# Allegro board 8880F5-0827_txbegin.brd (continued)
## Routing (per net, layer and track width the routed paths; a pad name or vN(x,y) marks a point on that pad's centre or on a via; arc(x,y) is an arc through that point) (continued)
 ; D119.A4 166.83,55.88 ; D119.A4 167.64,56.69 ; D132.B12 115.11,40.64 ; D132.B12 114.3,41.45 ; D132.B12 114.3,39.83 ; D132.B12 113.49,40.64 ; D306.B1 381.71,68.58 ; D306.B1 381,67.87 ; D306.B1 381,69.29 ; D306.B1 380.29,68.58 ; D127.B3 18.59,58.42 ; D127.B3 17.78,59.23 ; D127.B3 16.97,58.42 ; D127.B3 17.78,57.61 ; 331.93,33.02 D104.A11 ; D104.A11 332.74,32.21 ; D104.A11 332.74,33.83 ; D104.A11 333.55,33.02 ; 396.24,83.11 D305.A7 ; D305.A7 395.53,83.82 ; D305.A7 396.95,83.82 ; D305.A7 396.24,84.53 ; D125.B11 38.91,99.06 ; D125.B11 38.1,99.87 ; D125.B11 37.29,99.06 ; D125.B11 38.1,98.25 ; 416.56,32.21 D108.A15 ; D108.A15 415.75,33.02 ; D108.A15 416.56,33.83 ; D108.A15 417.37,33.02 ; D119.B8 178.61,60.96 ; D119.B8 177.8,60.15 ; D119.B8 177.8,61.77 ; D119.B8 176.99,60.96 ; D123.B8 251.46,61.77 ; D123.B8 250.65,60.96 ; D123.B8 252.27,60.96 ; D123.B8 251.46,60.15 ; 396.24,354.79 D110.A11 ; D110.A11 397.05,355.6 ; D110.A11 396.24,356.41 ; D110.A11 395.43,355.6 ; D318.A6 173.43,66.04 ; D318.A6 172.72,65.33 ; D318.A6 172.01,66.04 ; D318.A6 172.72,66.75 ; SITE2.G13 329.03,243.31 ; SITE2.G13 329.03,242.35 ; SITE2.G13 328.55,242.83 ; SITE2.G13 329.51,242.83 ; 309.88,392.89 D116.A16 ; D116.A16 309.88,394.51 ; D116.A16 310.69,393.7 ; D116.A16 309.07,393.7 ; D131.A16 124.46,56.69 ; D131.A16 125.27,55.88 ; D131.A16 124.46,55.07 ; D131.A16 123.65,55.88 ; CSDPS429.C13 170.18,341.17 ; CSDPS429.C13 170.18,339.55 ; CSDPS429.C13 170.99,340.36 ; CSDPS429.C13 169.37,340.36 ; D306.A3 386.08,64.21 ; D306.A3 385.37,63.5 ; D306.A3 386.08,62.79 ; D306.A3 386.79,63.5 ; 317.5,83.11 D301.A5 ; D301.A5 318.21,83.82 ; D301.A5 317.5,84.53 ; D301.A5 316.79,83.82 ; D322.B15 269.95,68.58 ; D322.B15 268.53,68.58 ; D322.B15 269.24,69.29 ; D322.B15 269.24,67.87 ; D132.B14 119.38,41.45 ; D132.B14 119.38,39.83 ; D132.B14 118.57,40.64 ; D132.B14 120.19,40.64 ; D106.A9 401.32,74.47 ; D106.A9 402.13,73.66 ; D106.A9 401.32,72.85 ; D106.A9 400.51,73.66 ; 415.75,73.66 D106.A15 ; D106.A15 416.56,72.85 ; D106.A15 417.37,73.66 ; D106.A15 416.56,74.47 ; 238.76,329.39 CSDPS225.C15 ; CSDPS225.C15 239.57,330.2 ; CSDPS225.C15 237.95,330.2 ; CSDPS225.C15 238.76,331.01 ; 22.05,58.42 D127.B5 ; D127.B5 23.67,58.42 ; D127.B5 22.86,57.61 ; D127.B5 22.86,59.23 ; 410.67,73.66 D106.A13 ; D106.A13 411.48,74.47 ; D106.A13 412.29,73.66 ; D106.A13 411.48,72.85 ; D119.A7 176.07,53.34 ; D119.A7 175.26,54.15 ; D119.A7 175.26,52.53 ; D119.A7 174.45,53.34 ; D431.A12 172.72,384.35 ; D431.A12 171.91,383.54 ; D431.A12 172.72,382.73 ; D431.A12 173.53,383.54 ; 401.32,334.47 D109.A9 ; D109.A9 402.13,335.28 ; D109.A9 400.51,335.28 ; D109.A9 401.32,336.09 ; 325.12,39.83 D104.B8 ; D104.B8 324.31,40.64 ; D104.B8 325.93,40.64 ; D104.B8 325.12,41.45 ; 116.84,77.93 D130.B13 ; D130.B13 117.65,78.74 ; D130.B13 116.84,79.55 ; D130.B13 116.03,78.74 ; 99.06,75.39 D130.A6 ; D130.A6 98.25,76.2 ; D130.A6 99.87,76.2 ; D130.A6 99.06,77.01 ; 193.04,70.41 D318.B14 ; D318.B14 193.04,71.83 ; D318.B14 192.33,71.12 ; D318.B14 193.75,71.12 ; 194.77,370.84 D231.B3 ; D231.B3 195.58,370.03 ; D231.B3 195.58,371.65 ; D231.B3 196.39,370.84 ; 165.1,77.93 D118.B3 ; D118.B3 165.91,78.74 ; D118.B3 165.1,79.55 ; D118.B3 164.29,78.74 ; 187.96,331.93 CSDPS229.B6 ; CSDPS229.B6 187.96,333.55 ; CSDPS229.B6 188.77,332.74 ; CSDPS229.B6 187.15,332.74 ; 249.75,242.83 SITE1.G14 ; SITE1.G14 250.23,243.31 ; SITE1.G14 250.71,242.83 ; SITE1.G14 250.23,242.35 ; 27.94,37.29 D128.B7 ; D128.B7 27.13,38.1 ; D128.B7 27.94,38.91 ; D128.B7 28.75,38.1 ; D305.A9 402.03,83.82 ; D305.A9 400.61,83.82 ; D305.A9 401.32,84.53 ; D305.A9 401.32,83.11 ; D302.A7 323.29,63.5 ; D302.A7 321.87,63.5 ; D302.A7 322.58,64.21 ; D302.A7 322.58,62.79 ; D126.A15 49.07,73.66 ; D126.A15 47.45,73.66 ; D126.A15 48.26,72.85 ; D126.A15 48.26,74.47 ; 330.23,245.95 SITE2.G18 ; SITE2.G18 329.75,246.43 ; SITE2.G18 330.71,246.43 ; SITE2.G18 330.23,246.91 ; D108.B9 401.32,38.91 ; D108.B9 401.32,37.29 ; D108.B9 400.51,38.1 ; D108.B9 402.13,38.1 ; 347.98,334.47 D113.A1 ; D113.A1 347.17,335.28 ; D113.A1 348.79,335.28 ; D113.A1 347.98,336.09 ; 118.57,76.2 D130.A14 ; D130.A14 119.38,75.39 ; D130.A14 120.19,76.2 ; D130.A14 119.38,77.01 ; CSDPS425.C7 259.89,340.36 ; CSDPS425.C7 259.08,341.17 ; CSDPS425.C7 258.27,340.36 ; CSDPS425.C7 259.08,339.55 ; D306.A12 408.94,66.75 ; D306.A12 408.23,66.04 ; D306.A12 409.65,66.04 ; D306.A12 408.94,65.33 ; 175.26,370.03 D231.B11 ; D231.B11 176.07,370.84 ; D231.B11 175.26,371.65 ; D231.B11 174.45,370.84 ; D118.B16 198.12,82.09 ; D118.B16 198.93,81.28 ; D118.B16 197.31,81.28 ; D118.B16 198.12,80.47 ; D118.B12 188.77,81.28 ; D118.B12 187.15,81.28 ; D118.B12 187.96,80.47 ; D118.B12 187.96,82.09 ; 264.16,62.79 D322.A13 ; D322.A13 264.16,64.21 ; D322.A13 264.87,63.5 ; D322.A13 263.45,63.5 ; D111.A4 414.83,373.38 ; D111.A4 414.02,372.57 ; D111.A4 414.02,374.19 ; D111.A4 413.21,373.38 ; 390.35,330.2 D109.B13 ; D109.B13 391.16,329.39 ; D109.B13 391.97,330.2 ; D109.B13 391.16,331.01 ; 105.87,78.74 D130.B9 ; D130.B9 106.68,79.55 ; D130.B9 106.68,77.93 ; D130.B9 107.49,78.74 ; D318.B1 160.02,69.29 ; D318.B1 159.31,68.58 ; D318.B1 160.02,67.87 ; D318.B1 160.73,68.58 ; D113.B7 332.74,331.01 ; D113.B7 333.55,330.2 ; D113.B7 332.74,329.39 ; D113.B7 331.93,330.2 ; 393.7,85.65 D305.A6 ; D305.A6 394.41,86.36 ; D305.A6 393.7,87.07 ; D305.A6 392.99,86.36 ; D109.B14 388.62,328.47 ; D109.B14 387.81,327.66 ; D109.B14 388.62,326.85 ; D109.B14 389.43,327.66 ; 38.1,52.53 D127.A11 ; D127.A11 37.29,53.34 ; D127.A11 38.1,54.15 ; D127.A11 38.91,53.34 ; 411.48,83.11 D305.A13 ; D305.A13 411.48,84.53 ; D305.A13 410.77,83.82 ; D305.A13 412.19,83.82 ; D123.A12 261.62,56.69 ; D123.A12 260.81,55.88 ; D123.A12 261.62,55.07 ; D123.A12 262.43,55.88 ; D322.B4 241.3,71.83 ; D322.B4 241.3,70.41 ; D322.B4 242.01,71.12 ; D322.B4 240.59,71.12 ; D106.B9 402.13,78.74 ; D106.B9 401.32,77.93 ; D106.B9 400.51,78.74 ; D106.B9 401.32,79.55 ; 161.75,378.46 D431.B16 ; D431.B16 163.37,378.46 ; D431.B16 162.56,377.65 ; D431.B16 162.56,379.27 ; D119.B2 163.37,60.96 ; D119.B2 162.56,61.77 ; D119.B2 162.56,60.15 ; D119.B2 161.75,60.96 ; 316.69,355.6 D114.A13 ; D114.A13 318.31,355.6 ; D114.A13 317.5,354.79 ; D114.A13 317.5,356.41 ; D317.A14 193.04,87.07 ; D317.A14 193.75,86.36 ; D317.A14 192.33,86.36 ; D317.A14 193.04,85.65 ; DPS8.C11 176.07,410.21 ; DPS8.C11 175.26,411.02 ; DPS8.C11 174.45,410.21 ; DPS8.C11 175.26,409.4 ; 33.02,32.21 D128.A9 ; D128.A9 33.02,33.83 ; D128.A9 33.83,33.02 ; D128.A9 32.21,33.02 ; 320.04,90.73 D301.B6 ; D301.B6 320.04,92.15 ; D301.B6 319.33,91.44 ; D301.B6 320.75,91.44 ; D431.A10 178.61,383.54 ; D431.A10 177.8,382.73 ; D431.A10 177.8,384.35 ; D431.A10 176.99,383.54 ; 25.4,34.75 D128.A6 ; D128.A6 25.4,36.37 ; D128.A6 24.59,35.56 ; D128.A6 26.21,35.56 ; 100.79,78.74 D130.B7 ; D130.B7 101.6,79.55 ; D130.B7 102.41,78.74 ; D130.B7 101.6,77.93 ; D108.A9 401.32,33.83 ; D108.A9 402.13,33.02 ; D108.A9 400.51,33.02 ; D108.A9 401.32,32.21 ; D306.B4 388.62,71.83 ; D306.B4 388.62,70.41 ; D306.B4 387.91,71.12 ; D306.B4 389.33,71.12 ; 385.27,33.02 D108.A3 ; D108.A3 386.08,32.21 ; D108.A3 386.08,33.83 ; D108.A3 386.89,33.02 ; SITE2.G20 333.11,246.43 ; SITE2.G20 332.63,246.91 ; SITE2.G20 332.63,245.95 ; SITE2.G20 332.15,246.43 ; 93.17,101.6 D129.B4 ; D129.B4 94.79,101.6 ; D129.B4 93.98,102.41 ; D129.B4 93.98,100.79 ; 250.85,241.33 SITE1.G4 ; SITE1.G4 251.81,241.33 ; SITE1.G4 251.33,241.81 ; SITE1.G4 251.33,240.85 ; 121.92,37.29 D132.B15 ; D132.B15 122.73,38.1 ; D132.B15 121.11,38.1 ; D132.B15 121.92,38.91 ; 48.26,98.25 D125.B15 ; D125.B15 47.45,99.06 ; D125.B15 49.07,99.06 ; D125.B15 48.26,99.87 ; 408.94,55.07 D107.A12 ; D107.A12 408.94,56.69 ; D107.A12 409.75,55.88 ; D107.A12 408.13,55.88 ; SITE2.G12 333.81,247.93 ; SITE2.G12 333.33,247.45 ; SITE2.G12 332.85,247.93 ; SITE2.G12 333.33,248.41 ; D115.B4 341.17,368.3 ; D115.B4 340.36,369.11 ; D115.B4 339.55,368.3 ; D115.B4 340.36,367.49 ; D127.B9 33.83,58.42 ; D127.B9 33.02,57.61 ; D127.B9 32.21,58.42 ; D127.B9 33.02,59.23 ; D103.A1 308.15,53.34 ; D103.A1 306.53,53.34 ; D103.A1 307.34,54.15 ; D103.A1 307.34,52.53 ; 200.66,385.27 D431.A1 ; D431.A1 200.66,386.89 ; D431.A1 201.47,386.08 ; D431.A1 199.85,386.08 ; 99.06,95.71 D129.A6 ; D129.A6 98.25,96.52 ; D129.A6 99.87,96.52 ; D129.A6 99.06,97.33 ; 401.32,329.39 D109.B9 ; D109.B9 400.51,330.2 ; D109.B9 401.32,331.01 ; D109.B9 402.13,330.2 ; D103.B11 332.74,59.23 ; D103.B11 333.55,58.42 ; D103.B11 331.93,58.42 ; D103.B11 332.74,57.61 ; D103.B15 342.9,59.23 ; D103.B15 342.9,57.61 ; D103.B15 343.71,58.42 ; D103.B15 342.09,58.42 ; 387.81,368.3 D111.B14 ; D111.B14 389.43,368.3 ; D111.B14 388.62,369.11 ; D111.B14 388.62,367.49 ; 335.28,55.07 D103.A12 ; D103.A12 334.47,55.88 ; D103.A12 336.09,55.88 ; D103.A12 335.28,56.69 ; DPS1.C01 381,19.86 ; DPS1.C01 380.19,19.05 ; DPS1.C01 381.81,19.05 ; DPS1.C01 381,18.24 ; 249.03,182.35 SITE3.G13 ; SITE3.G13 248.55,182.83 ; SITE3.G13 249.03,183.31 ; SITE3.G13 249.51,182.83 ; D119.B3 165.91,58.42 ; D119.B3 164.29,58.42 ; D119.B3 165.1,59.23 ; D119.B3 165.1,57.61 ; D128.A5 23.67,33.02 ; D128.A5 22.05,33.02 ; D128.A5 22.86,32.21 ; D128.A5 22.86,33.83 ; 179.63,63.5 D318.A9 ; D318.A9 180.34,62.79 ; D318.A9 180.34,64.21 ; D318.A9 181.05,63.5 ; D116.A1 347.98,397.05 ; D116.A1 347.17,396.24 ; D116.A1 347.98,395.43 ; D116.A1 348.79,396.24 ; 324.31,332.74 D113.A10 ; D113.A10 325.12,333.55 ; D113.A10 325.12,331.93 ; D113.A10 325.93,332.74 ; D124.A1 234.49,33.02 ; D124.A1 233.68,33.83 ; D124.A1 233.68,32.21 ; D124.A1 232.87,33.02 ; D104.B6 320.04,41.45 ; D104.B6 320.85,40.64 ; D104.B6 320.04,39.83 ; D104.B6 319.23,40.64 ; 311.61,391.16 D116.B15 ; D116.B15 312.42,390.35 ; D116.B15 313.23,391.16 ; D116.B15 312.42,391.97 ; 331.43,242.35 SITE2.G15 ; SITE2.G15 331.43,243.31 ; SITE2.G15 330.95,242.83 ; SITE2.G15 331.91,242.83 ; D102.A5 318.31,73.66 ; D102.A5 316.69,73.66 ; D102.A5 317.5,74.47 ; D102.A5 317.5,72.85 ; D131.A10 110.03,55.88 ; D131.A10 108.41,55.88 ; D131.A10 109.22,56.69 ; D131.A10 109.22,55.07 ; 27.94,72.85 D126.A7 ; D126.A7 28.75,73.66 ; D126.A7 27.94,74.47 ; D126.A7 27.13,73.66 ; D106.A10 404.67,76.2 ; D106.A10 403.86,77.01 ; D106.A10 403.86,75.39 ; D106.A10 403.05,76.2 ; 396.24,329.39 D109.B11 ; D109.B11 397.05,330.2 ; D109.B11 396.24,331.01 ; D109.B11 395.43,330.2 ; D130.A3 91.44,74.47 ; D130.A3 90.63,73.66 ; D130.A3 91.44,72.85 ; D130.A3 92.25,73.66 ; SITE1.G11 252.33,248.41 ; SITE1.G11 252.81,247.93 ; SITE1.G11 252.33,247.45 ; SITE1.G11 251.85,247.93 ; 14.43,101.6 D125.B2 ; D125.B2 15.24,102.41 ; D125.B2 15.24,100.79 ; D125.B2 16.05,101.6 ; D131.B3 91.44,59.23 ; D131.B3 91.44,57.61 ; D131.B3 92.25,58.42 ; D131.B3 90.63,58.42 ; D107.A11 407.21,53.34 ; D107.A11 405.59,53.34 ; D107.A11 406.4,52.53 ; D107.A11 406.4,54.15 ; D111.B2 419.91,368.3 ; D111.B2 419.1,369.11 ; D111.B2 419.1,367.49 ; D111.B2 418.29,368.3 ; 311.61,350.52 D114.B15 ; D114.B15 313.23,350.52 ; D114.B15 312.42,351.33 ; D114.B15 312.42,349.71 ; D112.B8 404.67,388.62 ; D112.B8 403.05,388.62 ; D112.B8 403.86,387.81 ; D112.B8 403.86,389.43 ; 331.85,181.33 SITE4.G5 ; SITE4.G5 332.33,180.85 ; SITE4.G5 332.33,181.81 ; SITE4.G5 332.81,181.33 ; D130.A9 107.49,73.66 ; D130.A9 106.68,74.47 ; D130.A9 105.87,73.66 ; D130.A9 106.68,72.85 ; D109.A15 386.89,335.28 ; D109.A15 385.27,335.28 ; D109.A15 386.08,334.47 ; D109.A15 386.08,336.09 ; D118.A15 196.39,73.66 ; D118.A15 194.77,73.66 ; D118.A15 195.58,74.47 ; D118.A15 195.58,72.85 ; D321.B7 248.92,89.61 ; D321.B7 249.63,88.9 ; D321.B7 248.92,88.19 ; D321.B7 248.21,88.9 ; 347.17,330.2 D113.B1 ; D113.B1 347.98,329.39 ; D113.B1 348.79,330.2 ; D113.B1 347.98,331.01 ; 309.07,347.98 D114.B16 ; D114.B16 310.69,347.98 ; D114.B16 309.88,348.79 ; D114.B16 309.88,347.17 ; 415.75,391.16 D112.B3 ; D112.B3 416.56,391.97 ; D112.B3 416.56,390.35 ; D112.B3 417.37,391.16 ; DPS1.A15 417.37,13.97 ; DPS1.A15 415.75,13.97 ; DPS1.A15 416.56,14.78 ; DPS1.A15 416.56,13.16 ; D321.B4 242.01,91.44 ; D321.B4 240.59,91.44 ; D321.B4 241.3,90.73 ; D321.B4 241.3,92.15 ; D122.A6 246.38,77.01 ; D122.A6 247.19,76.2 ; D122.A6 245.57,76.2 ; D122.A6 246.38,75.39 ; D122.A1 234.49,73.66 ; D122.A1 232.87,73.66 ; D122.A1 233.68,74.47 ; D122.A1 233.68,72.85 ; D118.B2 162.56,82.09 ; D118.B2 162.56,80.47 ; D118.B2 161.75,81.28 ; D118.B2 163.37,81.28 ; D107.B10 403.86,61.77 ; D107.B10 403.86,60.15 ; D107.B10 403.05,60.96 ; D107.B10 404.67,60.96 ; 44.91,35.56 D128.A14 ; D128.A14 46.53,35.56 ; D128.A14 45.72,34.75 ; D128.A14 45.72,36.37 ; 405.59,73.66 D106.A11 ; D106.A11 406.4,74.47 ; D106.A11 407.21,73.66 ; D106.A11 406.4,72.85 ; 316.69,78.74 D102.B5 ; D102.B5 317.5,77.93 ; D102.B5 317.5,79.55 ; D102.B5 318.31,78.74 ; 258.27,78.74 D122.B11 ; D122.B11 259.08,77.93 ; D122.B11 259.08,79.55 ; D122.B11 259.89,78.74 ; D106.B14 414.02,82.09 ; D106.B14 414.83,81.28 ; D106.B14 413.21,81.28 ; D106.B14 414.02,80.47 ; D111.B12 393.7,369.11 ; D111.B12 394.51,368.3 ; D111.B12 393.7,367.49 ; D111.B12 392.89,368.3 ; DPS1.A05 391.16,14.78 ; DPS1.A05 390.35,13.97 ; DPS1.A05 391.97,13.97 ; DPS1.A05 391.16,13.16 ; 266.7,65.33 D322.A14 ; D322.A14 266.7,66.75 ; D322.A14 265.99,66.04 ; D322.A14 267.41,66.04 ; D301.B11 332.74,89.61 ; D301.B11 333.45,88.9 ; D301.B11 332.03,88.9 ; D301.B11 332.74,88.19 ; 329.49,91.44 D301.B10 ; D301.B10 330.2,92.15 ; D301.B10 330.2,90.73 ; D301.B10 330.91,91.44 ; 47.45,33.02 D128.A15 ; D128.A15 48.26,33.83 ; D128.A15 48.26,32.21 ; D128.A15 49.07,33.02 ; 265.89,40.64 D124.B14 ; D124.B14 266.7,39.83 ; D124.B14 267.51,40.64 ; D124.B14 266.7,41.45 ; 248.85,241.33 SITE1.G2 ; SITE1.G2 249.33,241.81 ; SITE1.G2 249.81,241.33 ; SITE1.G2 249.33,240.85 ; 250.85,181.33 SITE3.G4 ; SITE3.G4 251.33,181.81 ; SITE3.G4 251.81,181.33 ; SITE3.G4 251.33,180.85 ; 161.75,332.74 CSDPS229.B16 ; CSDPS229.B16 162.56,331.93 ; CSDPS229.B16 162.56,333.55 ; CSDPS229.B16 163.37,332.74 ; D431.A14 167.64,384.35 ; D431.A14 168.45,383.54 ; D431.A14 166.83,383.54 ; D431.A14 167.64,382.73 ; D113.B5 338.63,330.2 ; D113.B5 337.82,329.39 ; D113.B5 337.82,331.01 ; D113.B5 337.01,330.2 ; SITE1.G7 248.81,247.93 ; SITE1.G7 248.33,247.45 ; SITE1.G7 248.33,248.41 ; SITE1.G7 247.85,247.93 ; 182.88,367.49 D231.B8 ; D231.B8 183.69,368.3 ; D231.B8 182.07,368.3 ; D231.B8 182.88,369.11 ; 49.99,76.2 D126.A16 ; D126.A16 51.61,76.2 ; D126.A16 50.8,77.01 ; D126.A16 50.8,75.39 ; 166.83,373.38 D231.A14 ; D231.A14 167.64,374.19 ; D231.A14 167.64,372.57 ; D231.A14 168.45,373.38 ; 398.78,65.33 D306.A8 ; D306.A8 399.49,66.04 ; D306.A8 398.78,66.75 ; D306.A8 398.07,66.04 ; D107.B5 391.16,59.23 ; D107.B5 390.35,58.42 ; D107.B5 391.16,57.61 ; D107.B5 391.97,58.42 ; 192.23,35.56 D120.A14 ; D120.A14 193.04,34.75 ; D120.A14 193.85,35.56 ; D120.A14 193.04,36.37 ; 235.51,71.12 D322.B2 ; D322.B2 236.22,70.41 ; D322.B2 236.22,71.83 ; D322.B2 236.93,71.12 ; 403.05,35.56 D108.A10 ; D108.A10 403.86,36.37 ; D108.A10 404.67,35.56 ; D108.A10 403.86,34.75 ; D109.A8 404.67,332.74 ; D109.A8 403.86,331.93 ; D109.A8 403.05,332.74 ; D109.A8 403.86,333.55 ; D317.A6 173.43,86.36 ; D317.A6 172.72,85.65 ; D317.A6 172.72,87.07 ; D317.A6 172.01,86.36 ; D120.A4 167.64,36.37 ; D120.A4 167.64,34.75 ; D120.A4 166.83,35.56 ; D120.A4 168.45,35.56 ; 392.89,40.64 D108.B6 ; D108.B6 393.7,41.45 ; D108.B6 394.51,40.64 ; D108.B6 393.7,39.83 ; 331.93,350.52 D114.B7 ; D114.B7 332.74,351.33 ; D114.B7 333.55,350.52 ; D114.B7 332.74,349.71 ; D301.B2 310.59,91.44 ; D301.B2 309.17,91.44 ; D301.B2 309.88,92.15 ; D301.B2 309.88,90.73 ; 180.34,339.55 CSDPS429.C9 ; CSDPS429.C9 180.34,341.17 ; CSDPS429.C9 181.15,340.36 ; CSDPS429.C9 179.53,340.36 ; 392.89,55.88 D107.A6 ; D107.A6 394.51,55.88 ; D107.A6 393.7,55.07 ; D107.A6 393.7,56.69 ; D131.B11 112.57,58.42 ; D131.B11 111.76,59.23 ; D131.B11 110.95,58.42 ; D131.B11 111.76,57.61 ; 395.43,38.1 D108.B7 ; D108.B7 396.24,38.91 ; D108.B7 396.24,37.29 ; D108.B7 397.05,38.1 ; 197.31,383.54 D431.A2 ; D431.A2 198.93,383.54 ; D431.A2 198.12,382.73 ; D431.A2 198.12,384.35 ; D318.A1 160.73,63.5 ; D318.A1 160.02,62.79 ; D318.A1 160.02,64.21 ; D318.A1 159.31,63.5 ; 251.46,342.09 CSDPS425.B10 ; CSDPS425.B10 252.27,342.9 ; CSDPS425.B10 250.65,342.9 ; CSDPS425.B10 251.46,343.71 ; D301.A11 333.45,83.82 ; D301.A11 332.74,83.11 ; D301.A11 332.03,83.82 ; D301.A11 332.74,84.53 ; D125.B10 35.56,102.41 ; D125.B10 36.37,101.6 ; D125.B10 35.56,100.79 ; D125.B10 34.75,101.6 ; 403.15,66.04 D306.A10 ; D306.A10 404.57,66.04 ; D306.A10 403.86,66.75 ; D306.A10 403.86,65.33 ; D130.B4 94.79,81.28 ; D130.B4 93.98,82.09 ; D130.B4 93.17,81.28 ; D130.B4 93.98,80.47 ; D104.B1 308.15,38.1 ; D104.B1 307.34,37.29 ; D104.B1 307.34,38.91 ; D104.B1 306.53,38.1 ; 241.3,331.93 CSDPS225.B14 ; CSDPS225.B14 241.3,333.55 ; CSDPS225.B14 240.49,332.74 ; CSDPS225.B14 242.11,332.74 ; 197.31,35.56 D120.A16 ; D120.A16 198.12,34.75 ; D120.A16 198.12,36.37 ; D120.A16 198.93,35.56 ; 329.49,66.04 D302.A10 ; D302.A10 330.2,66.75 ; D302.A10 330.2,65.33 ; D302.A10 330.91,66.04 ; D125.A14 46.53,96.52 ; D125.A14 45.72,97.33 ; D125.A14 44.91,96.52 ; D125.A14 45.72,95.71 ; 255.73,35.56 D124.A10 ; D124.A10 256.54,36.37 ; D124.A10 256.54,34.75 ; D124.A10 257.35,35.56 ; CSDPS425.B2 272.59,342.9 ; CSDPS425.B2 271.78,342.09 ; CSDPS425.B2 270.97,342.9 ; CSDPS425.B2 271.78,343.71 ; 17.78,98.25 D125.B3 ; D125.B3 18.59,99.06 ; D125.B3 16.97,99.06 ; D125.B3 17.78,99.87 ; 331.85,187.93 SITE4.G11 ; SITE4.G11 332.33,188.41 ; SITE4.G11 332.33,187.45 ; SITE4.G11 332.81,187.93 ; 96.46,175.46 UNK3U2.4 ; UNK3U2.4 97.4,174.52 ; UNK3U2.4 98.34,175.46 ; UNK3U2.4 97.4,176.4 ; D305.A10 403.86,87.07 ; D305.A10 403.86,85.65 ; D305.A10 403.15,86.36 ; D305.A10 404.57,86.36 ; D104.A12 335.28,36.37 ; D104.A12 335.28,34.75 ; D104.A12 334.47,35.56 ; D104.A12 336.09,35.56 ; D120.B1 160.83,38.1 ; D120.B1 159.21,38.1 ; D120.B1 160.02,37.29 ; D120.B1 160.02,38.91 ; 194.77,78.74 D118.B15 ; D118.B15 195.58,79.55 ; D118.B15 196.39,78.74 ; D118.B15 195.58,77.93 ; D112.B9 401.32,391.97 ; D112.B9 401.32,390.35 ; D112.B9 400.51,391.16 ; D112.B9 402.13,391.16 ; D125.B9 33.83,99.06 ; D125.B9 33.02,99.87 ; D125.B9 33.02,98.25 ; D125.B9 32.21,99.06 ; D104.B3 312.42,38.91 ; D104.B3 312.42,37.29 ; D104.B3 311.61,38.1 ; D104.B3 313.23,38.1 ; D305.A8 398.78,87.07 ; D305.A8 398.78,85.65 ; D305.A8 399.49,86.36 ; D305.A8 398.07,86.36 ; SITE3.G3 250.33,181.81 ; SITE3.G3 250.81,181.33 ; SITE3.G3 250.33,180.85 ; SITE3.G3 249.85,181.33 ; CSDPS425.C5 264.97,340.36 ; CSDPS425.C5 264.16,341.17 ; CSDPS425.C5 263.35,340.36 ; CSDPS425.C5 264.16,339.55 ; D118.A16 198.12,77.01 ; D118.A16 198.12,75.39 ; D118.A16 198.93,76.2 ; D118.A16 197.31,76.2 ; 253.29,63.5 D322.A9 ; D322.A9 254,62.79 ; D322.A9 254,64.21 ; D322.A9 254.71,63.5 ; 177.8,331.93 CSDPS229.B10 ; CSDPS229.B10 178.61,332.74 ; CSDPS229.B10 176.99,332.74 ; CSDPS229.B10 177.8,333.55 ; D122.B2 237.03,81.28 ; D122.B2 236.22,80.47 ; D122.B2 235.41,81.28 ; D122.B2 236.22,82.09 ; D123.A9 254,54.15 ; D123.A9 253.19,53.34 ; D123.A9 254,52.53 ; D123.A9 254.81,53.34 ; D318.B5 170.18,69.29 ; D318.B5 169.47,68.58 ; D318.B5 170.89,68.58 ; D318.B5 170.18,67.87 ; D111.B13 391.97,370.84 ; D111.B13 390.35,370.84 ; D111.B13 391.16,371.65 ; D111.B13 391.16,370.03 ; D110.B5 411.48,351.33 ; D110.B5 410.67,350.52 ; D110.B5 412.29,350.52 ; D110.B5 411.48,349.71 ; SITE2.G16 332.63,243.31 ; SITE2.G16 332.63,242.35 ; SITE2.G16 333.11,242.83 ; SITE2.G16 332.15,242.83 ; 90.63,53.34 D131.A3 ; D131.A3 92.25,53.34 ; D131.A3 91.44,52.53 ; D131.A3 91.44,54.15 ; D110.B7 406.4,351.33 ; D110.B7 407.21,350.52 ; D110.B7 405.59,350.52 ; D110.B7 406.4,349.71 ; 162.56,90.73 D317.B2 ; D317.B2 163.27,91.44 ; D317.B2 161.85,91.44 ; D317.B2 162.56,92.15 ; 96.52,72.85 D130.A5 ; D130.A5 97.33,73.66 ; D130.A5 96.52,74.47 ; D130.A5 95.71,73.66 ; 88.9,34.75 D132.A2 ; D132.A2 88.9,36.37 ; D132.A2 89.71,35.56 ; D132.A2 88.09,35.56 ; 332.74,52.53 D103.A11 ; D103.A11 332.74,54.15 ; D103.A11 333.55,53.34 ; D103.A11 331.93,53.34 ; D124.A2 236.22,36.37 ; D124.A2 237.03,35.56 ; D124.A2 236.22,34.75 ; D124.A2 235.41,35.56 ; 248.11,330.2 CSDPS225.C11 ; CSDPS225.C11 248.92,331.01 ; CSDPS225.C11 248.92,329.39 ; CSDPS225.C11 249.73,330.2 ; 385.27,53.34 D107.A3 ; D107.A3 386.08,52.53 ; D107.A3 386.08,54.15 ; D107.A3 386.89,53.34 ; 415.75,78.74 D106.B15 ; D106.B15 416.56,77.93 ; D106.B15 416.56,79.55 ; D106.B15 417.37,78.74 ; 271.07,91.44 D321.B16 ; D321.B16 271.78,92.15 ; D321.B16 272.49,91.44 ; D321.B16 271.78,90.73 ; 270.97,76.2 D122.A16 ; D122.A16 271.78,77.01 ; D122.A16 272.59,76.2 ; D122.A16 271.78,75.39 ; D106.A8 399.59,76.2 ; D106.A8 398.78,77.01 ; D106.A8 398.78,75.39 ; D106.A8 397.97,76.2 ; D107.A2 384.35,55.88 ; D107.A2 383.54,56.69 ; D107.A2 382.73,55.88 ; D107.A2 383.54,55.07 ; 330.2,70.41 D302.B10 ; D302.B10 330.91,71.12 ; D302.B10 329.49,71.12 ; D302.B10 330.2,71.83 ; DPS2.C15 312.42,411.02 ; DPS2.C15 312.42,409.4 ; DPS2.C15 311.61,410.21 ; DPS2.C15 313.23,410.21 ; 344.73,86.36 D301.A16 ; D301.A16 345.44,87.07 ; D301.A16 345.44,85.65 ; D301.A16 346.15,86.36 ; D120.B10 182.88,41.45 ; D120.B10 182.88,39.83 ; D120.B10 183.69,40.64 ; D120.B10 182.07,40.64 ; D129.A3 92.25,93.98 ; D129.A3 90.63,93.98 ; D129.A3 91.44,93.17 ; D129.A3 91.44,94.79 ; 342.9,329.39 D113.B3 ; D113.B3 342.9,331.01 ; D113.B3 343.71,330.2 ; D113.B3 342.09,330.2 ; D306.B7 396.24,69.29 ; D306.B7 395.53,68.58 ; D306.B7 396.95,68.58 ; D306.B7 396.24,67.87 ; 170.18,88.19 D317.B5 ; D317.B5 169.47,88.9 ; D317.B5 170.18,89.61 ; D317.B5 170.89,88.9 ; D306.B15 416.56,69.29 ; D306.B15 417.27,68.58 ; D306.B15 415.85,68.58 ; D306.B15 416.56,67.87 ; 415.75,396.24 D112.A3 ; D112.A3 416.56,397.05 ; D112.A3 416.56,395.43 ; D112.A3 417.37,396.24 ; 236.22,342.09 CSDPS425.B16 ; CSDPS425.B16 237.03,342.9 ; CSDPS425.B16 235.41,342.9 ; CSDPS425.B16 236.22,343.71 ; D431.B7 186.23,381 ; D431.B7 185.42,381.81 ; D431.B7 185.42,380.19 ; D431.B7 184.61,381 ; 331.93,370.84 D115.B7 ; D115.B7 332.74,371.65 ; D115.B7 332.74,370.03 ; D115.B7 333.55,370.84 ; D126.A8 31.29,76.2 ; D126.A8 30.48,77.01 ; D126.A8 30.48,75.39 ; D126.A8 29.67,76.2 ; D106.B10 403.86,82.09 ; D106.B10 404.67,81.28 ; D106.B10 403.86,80.47 ; D106.B10 403.05,81.28 ; 388.62,331.93 D109.A14 ; D109.A14 387.81,332.74 ; D109.A14 389.43,332.74 ; D109.A14 388.62,333.55 ; 174.45,415.29 DPS8.A11 ; DPS8.A11 175.26,414.48 ; DPS8.A11 175.26,416.1 ; DPS8.A11 176.07,415.29 ; D112.B13 391.97,391.16 ; D112.B13 391.16,390.35 ; D112.B13 390.35,391.16 ; D112.B13 391.16,391.97 ; D103.A16 345.44,56.69 ; D103.A16 344.63,55.88 ; D103.A16 345.44,55.07 ; D103.A16 346.25,55.88 ; 314.15,81.28 D102.B4 ; D102.B4 314.96,82.09 ; D102.B4 315.77,81.28 ; D102.B4 314.96,80.47 ; D130.A12 114.3,77.01 ; D130.A12 114.3,75.39 ; D130.A12 113.49,76.2 ; D130.A12 115.11,76.2 ; 397.97,40.64 D108.B8 ; D108.B8 399.59,40.64 ; D108.B8 398.78,39.83 ; D108.B8 398.78,41.45 ; 331.43,185.95 SITE4.G19 ; SITE4.G19 331.43,186.91 ; SITE4.G19 330.95,186.43 ; SITE4.G19 331.91,186.43 ; CSDPS229.B4 193.85,332.74 ; CSDPS229.B4 193.04,331.93 ; CSDPS229.B4 193.04,333.55 ; CSDPS229.B4 192.23,332.74 ; 161.75,76.2 D118.A2 ; D118.A2 162.56,75.39 ; D118.A2 163.37,76.2 ; D118.A2 162.56,77.01 ; D116.A3 342.9,397.05 ; D116.A3 343.71,396.24 ; D116.A3 342.09,396.24 ; D116.A3 342.9,395.43 ; 166.93,91.44 D317.B4 ; D317.B4 167.64,92.15 ; D317.B4 168.35,91.44 ; D317.B4 167.64,90.73 ; D110.B8 404.67,347.98 ; D110.B8 403.86,347.17 ; D110.B8 403.86,348.79 ; D110.B8 403.05,347.98 ; D123.B14 266.7,61.77 ; D123.B14 267.51,60.96 ; D123.B14 265.89,60.96 ; D123.B14 266.7,60.15 ; 398.78,372.57 D111.A10 ; D111.A10 398.78,374.19 ; D111.A10 397.97,373.38 ; D111.A10 399.59,373.38 ; D103.B2 310.69,60.96 ; D103.B2 309.88,61.77 ; D103.B2 309.07,60.96 ; D103.B2 309.88,60.15 ; 340.36,347.17 D114.B4 ; D114.B4 341.17,347.98 ; D114.B4 340.36,348.79 ; D114.B4 339.55,347.98 ; 271.78,331.93 CSDPS225.B2 ; CSDPS225.B2 272.59,332.74 ; CSDPS225.B2 270.97,332.74 ; CSDPS225.B2 271.78,333.55 ; D118.B10 182.88,82.09 ; D118.B10 183.69,81.28 ; D118.B10 182.07,81.28 ; D118.B10 182.88,80.47 ; D110.A6 408.9